# Altium PCB PCB1.PcbDoc (part 3 of 5)
Units mm, origin at the board's own origin, x right, y up, seen from the top; angles counter-clockwise.
Board outline 140 x 90 mm, 6 copper layers (Top Layer, GND, Power, Layer 4, GND2, Bottom Layer), stack 1.503 mm thick; 176 components, 276 nets, 1448 pads, 686 vias.
Unrouted connection lines stored in the file: 7.
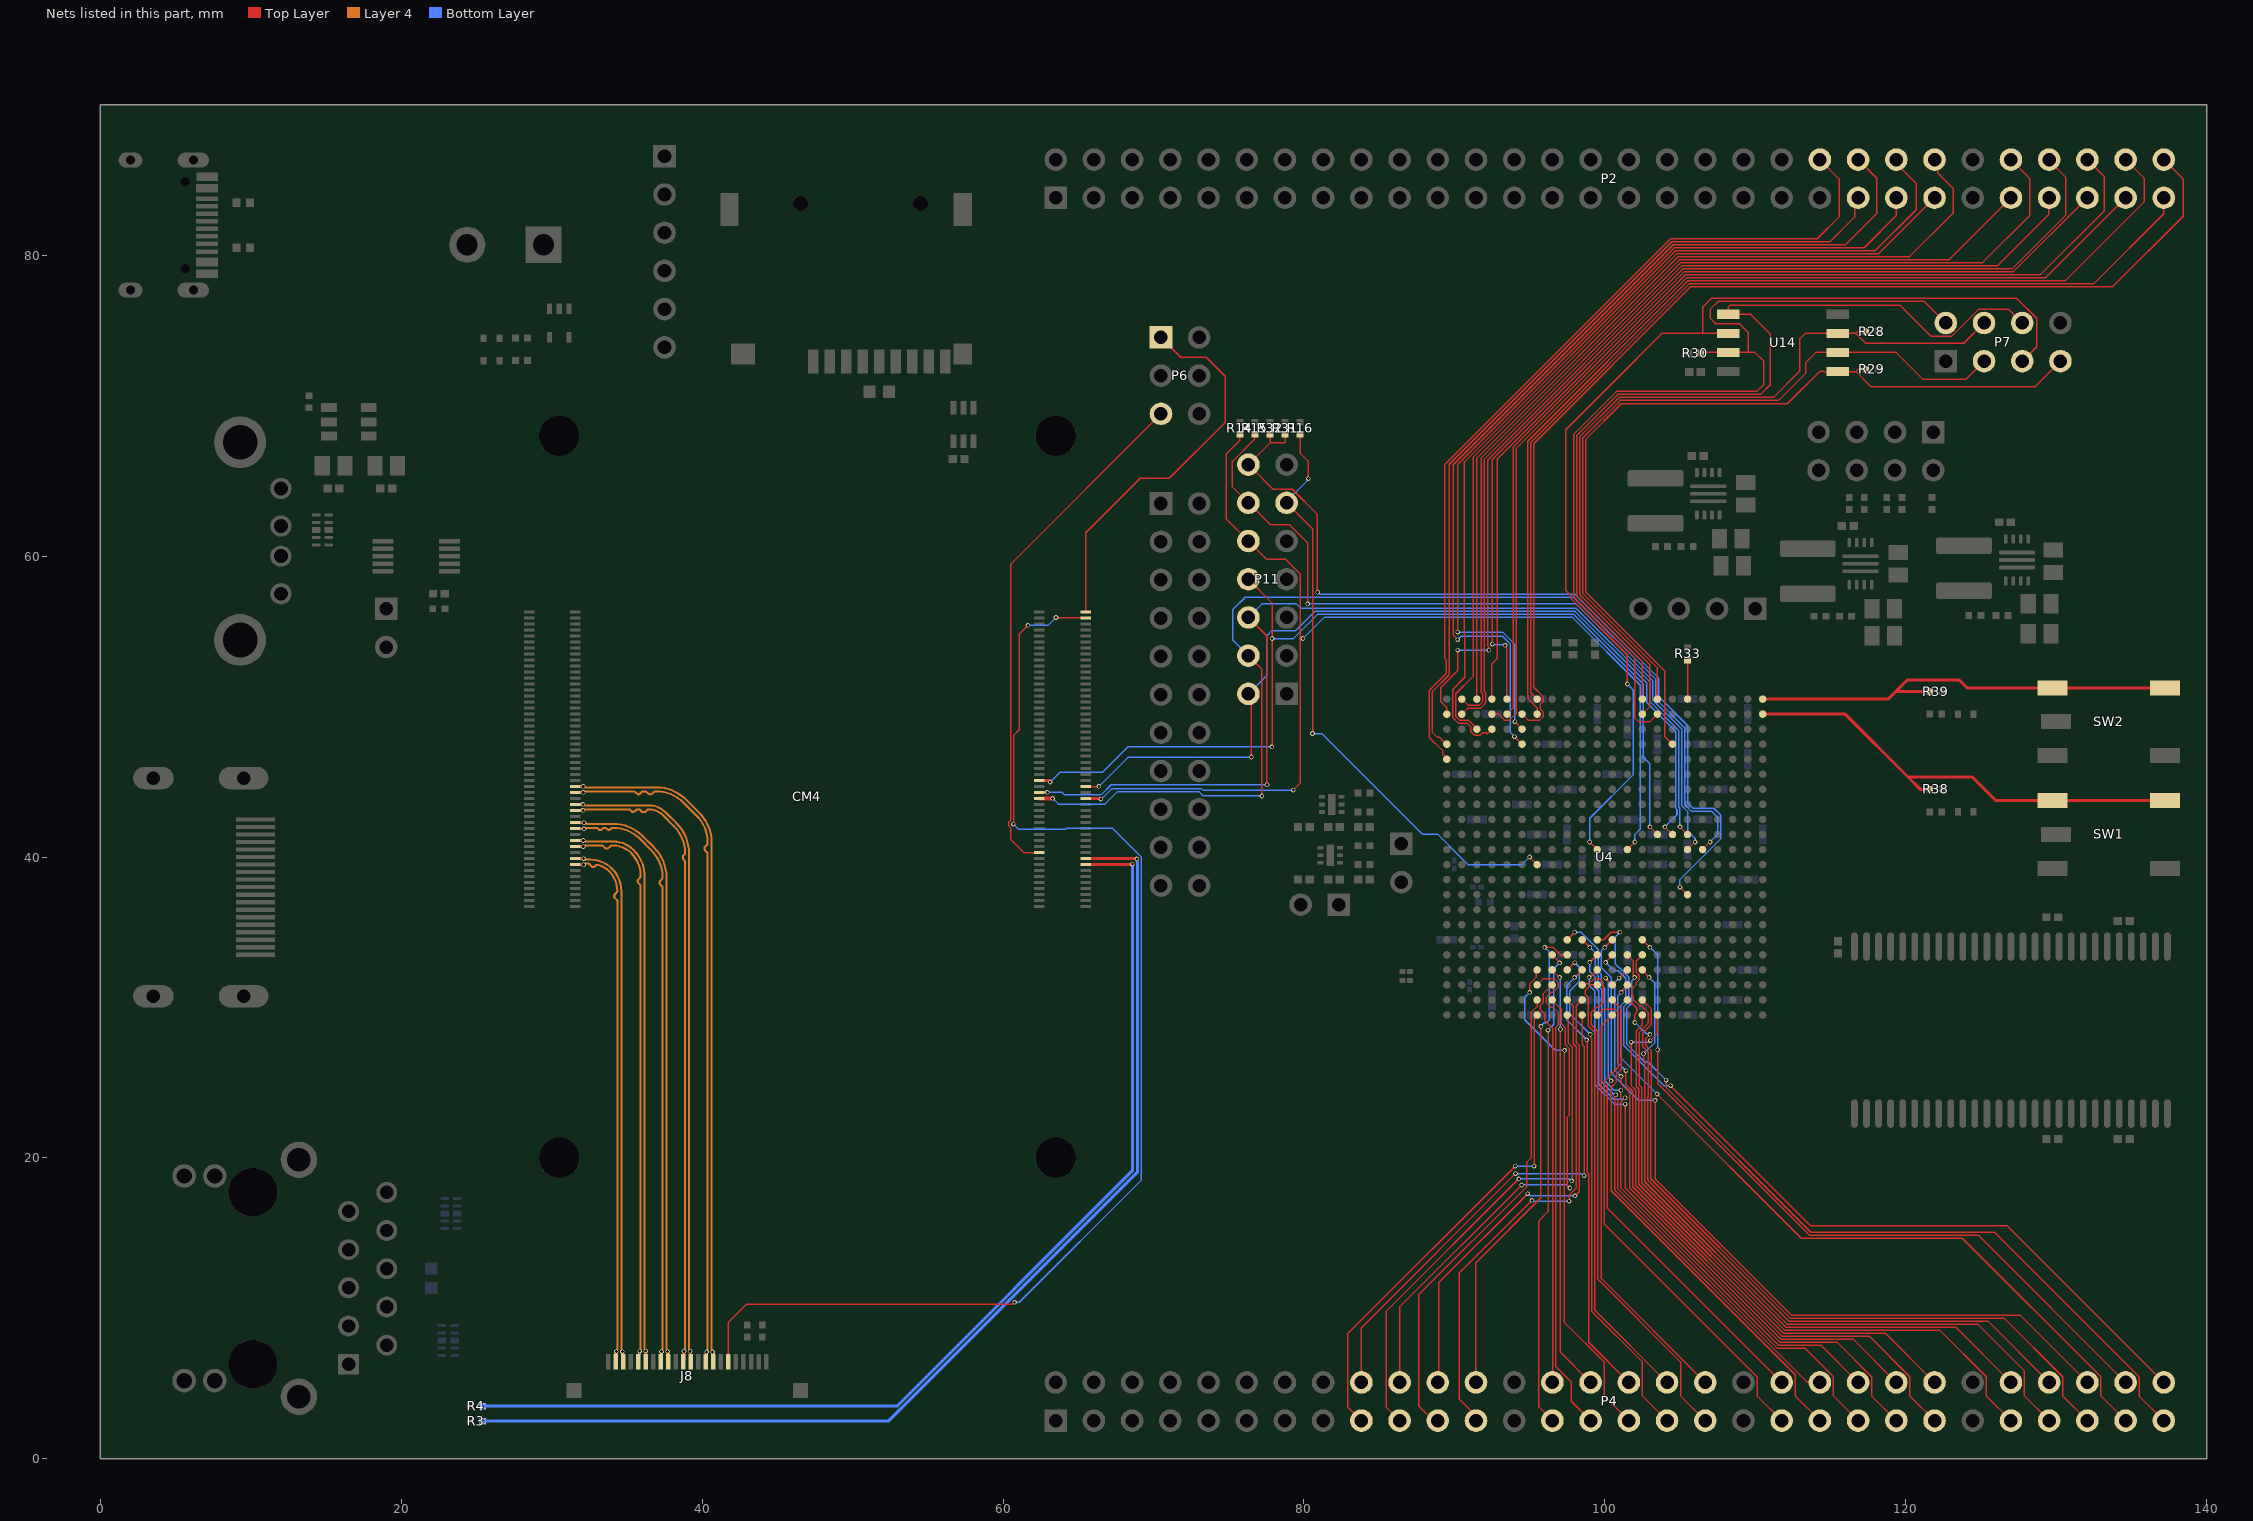
[diagram p7: the nets of this part, all layers, seen from the top]

## Via types
v1: diameter 0.305, hole 0.203, Top Layer to Bottom Layer, 686 vias

## Nets (pads, with @x,y where several pads share a name; then routed paths per layer and width w, separated by ;. In a path a pad name is that pad's centre, name@x,y a point inside that pad or via, vN(x,y) a via of type N, cw(c..) or ccw(c..) an arc to the next point about the centre after c; other vN are vias at no path point) (continued)
B14_33: P2.42 U4.A18 | length 58
  Top Layer w0.1: U4.A18@89.5,46.5 89.5,46.555 89.245,46.81 89.245,47.044 88.321,47.968 88.321,51.06 89.467,52.206 89.467,53.093 89.379,53.181 89.379,66.111 104.373,81.104 114.129,81.104 115.575,82.55 115.575,85.075 114.3,86.35 P2.42@114.3,86.36
B14_34: P2.43 U4.A19 | length 54.7
  Top Layer w0.1: U4.A19@89.5,47.5 89.469,47.5 88.993,47.976 88.848,47.976 88.52,48.304 88.52,50.978 89.666,52.123 89.666,66.116 104.455,80.905 114.975,80.905 116.605,82.536 116.605,83.585 P2.43@116.84,83.82
B14_35: P2.44 U4.F19 | length 61.7
  Top Layer w0.1: v1(90.224,54.45) 89.922,54.751 89.922,66.079 104.549,80.706 116.006,80.706 118.075,82.775 118.075,85.125 P2.44@116.84,86.36 ; v1(94,48) U4.F19@94.5,47.5
  Bottom Layer w0.1: v1(90.224,54.45) 90.449,54.675 93.2,54.675 93.725,54.15 93.725,48.275 v1(94,48)
B14_36: P2.45 U4.F20 | length 58.3
  Top Layer w0.1: v1(90.224,54.95) 90.224,66.099 104.631,80.507 117.241,80.507 119.38,82.646 P2.45@119.38,83.82 ; v1(94.026,49) 94.026,48.987 94.5,48.513 U4.F20@94.5,48.5
  Bottom Layer w0.1: v1(90.224,54.95) 93.206,54.95 94,54.156 94,49.026 v1(94.026,49)
B14_37: P2.46 U4.D20 | length 61.7
  Top Layer w0.1: U4.D20@92.5,48.5 92.195,48.195 92.119,48.271 91.869,48.271 91.699,48.101 91.335,48.101 91.101,48.335 91.101,48.649 90.848,48.902 90.252,48.902 89.902,49.252 89.902,51.152 90.695,51.945 90.695,52.839 90.695,54.764 90.674,54.785 90.674,66.268 104.714,80.308 117.983,80.308 120.7,83.025 120.7,84.775 119.38,86.095 P2.46@119.38,86.36
B14_38: P2.47 U4.C20 | length 57.3
  Top Layer w0.1: U4.C20@91.5,48.5 91.5,48.531 90.93,49.101 90.335,49.101 90.101,49.335 90.101,50.851 91.25,52 91.25,66.563 104.796,80.109 118.209,80.109 P2.47@121.92,83.82
B14_39: P2.48 U4.C22 | length 58.5
  Top Layer w0.1: U4.C22@91.5,50.5 91.5,66.531 104.879,79.91 120.26,79.91 123.15,82.8 123.15,84.45 122.14,85.46 122.14,86.14 P2.48@121.92,86.36
B14_40: P2.51 U4.B22 | length 60.3
  Top Layer w0.1: U4.B22@90.5,50.5 90.899,50.101 91.665,50.101 91.899,50.335 91.899,50.82 91.801,50.918 91.801,66.551 104.961,79.711 122.891,79.711 P2.51@127,83.82
B14_41: P2.52 U4.B21 | length 65.3
  Top Layer w0.1: U4.B21@90.5,49.5 90.902,49.902 91.748,49.902 92.098,50.252 92.098,50.902 92,51 92,66.457 105.055,79.512 125.112,79.512 128.234,82.634 128.234,85.126 P2.52@127,86.36
B14_42: P2.53 U4.A21 | length 64.8
  Top Layer w0.1: U4.A21@89.5,49.5 89.5,49.936 89.101,50.335 89.101,51.277 90.224,52.4 v1(90.224,53.754) ; v1(92.301,53.746) 92.301,53.948 92.224,54.025 92.224,66.399 105.137,79.313 126.123,79.313 129.504,82.694 129.504,83.784 P2.53@129.54,83.82
  Bottom Layer w0.1: v1(90.224,53.754) 90.23,53.748 92.299,53.748 v1(92.301,53.746)
B14_43: P2.54 U4.E22 | length 65.8
  Top Layer w0.1: v1(92.525,54.15) 92.525,66.419 105.22,79.114 127.093,79.114 130.65,82.671 130.65,85.175 129.54,86.285 P2.54@129.54,86.36 ; v1(93.374,54.074) 93.374,54.019 93.5,53.893 U4.E22@93.5,50.5
  Bottom Layer w0.1: v1(92.525,54.15) 92.563,54.112 93.337,54.112 v1(93.374,54.074)
B14_44: P2.55 U4.D22 | length 62.5
  Top Layer w0.1: U4.D22@92.5,50.5 92.5,52.85 92.85,53.2 92.85,66.463 105.302,78.915 127.175,78.915 P2.55@132.08,83.82
B14_45: P2.56 U4.E21 | length 67.6
  Top Layer w0.1: U4.E21@93.5,49.5 93.902,49.902 93.902,67.233 105.385,78.716 128.966,78.716 133.2,82.95 133.2,85.24 P2.56@132.08,86.36
B14_46: P2.57 U4.D21 | length 67
  Top Layer w0.1: U4.D21@92.5,49.5 92.936,49.5 93.335,49.101 93.665,49.101 94.101,49.537 94.101,67.151 105.467,78.517 129.317,78.517 P2.57@134.62,83.82
B14_47: P2.58 U4.G21 | length 69.3
  Top Layer w0.1: U4.G21@95.5,49.5 95.5,49.927 94.899,50.527 94.899,50.665 94.875,50.689 94.875,67.638 105.555,78.318 130.618,78.318 135.85,83.55 135.85,85.13 P2.58@134.62,86.36
B14_48: P2.59 U4.G22 | length 66.7
  Top Layer w0.1: U4.G22@95.5,50.5 95.074,50.926 95.074,67.555 105.638,78.119 132.519,78.119 137.16,82.76 P2.59@137.16,83.82
B14_49: P2.60 U4.F21 | length 74
  Top Layer w0.1: U4.F21@94.5,49.5 94.899,49.101 95.665,49.101 95.899,49.335 95.899,49.665 95.782,49.782 95.782,49.792 95.699,49.875 95.699,50.134 95.899,50.335 95.899,50.665 95.273,51.291 95.273,67.473 105.72,77.92 133.77,77.92 138.45,82.6 138.45,85.07 P2.60@137.16,86.36
B15_9: P4.17 U4.G1 | length 33.3
  Top Layer w0.1: P4.17@83.82,2.54 82.921,3.439 82.921,8.321 v1(94.05,19.45) ; v1(95.3,19.45) 95.3,29.241 95.5,29.441 U4.G1@95.5,29.5
  Bottom Layer w0.1: v1(94.05,19.45) v1(95.3,19.45)
B15_13: P4.18 U4.K1 | length 33.5
  Top Layer w0.1: P4.18@83.82,5.08 83.82,8.719 v1(94.064,18.962) ; U4.K1@98.5,29.5 98.499,29.499 98.499,27.552 98.627,27.424 v1(98.627,18.825)
  Bottom Layer w0.1: v1(94.064,18.962) 98.435,18.962 98.571,18.825 v1(98.627,18.825)
B15_14: P4.19 U4.J1 | length 34.8
  Top Layer w0.1: P4.19@86.36,2.54 85.461,3.439 85.461,9.787 v1(94.285,18.612) ; U4.J1@97.5,29.5 97.565,29.435 97.565,27.641 97.83,27.376 97.83,18.506 v1(97.8,18.475)
  Bottom Layer w0.1: v1(94.285,18.612) 97.608,18.612 97.744,18.475 v1(97.8,18.475)
B15_15: P4.20 U4.H2 | length 32.9
  Top Layer w0.1: P4.20@86.36,5.08 86.36,10.081 v1(94.48,18.201) ; U4.H2@96.5,30.5 97.101,29.899 97.101,28.931 97.366,28.666 97.366,27.541 97.631,27.276 97.631,22.821 97.498,22.688 97.498,18.232 97.675,18.055 v1(97.675,18)
  Bottom Layer w0.1: v1(94.48,18.201) 97.448,18.201 97.649,18 v1(97.675,18)
B15_16: P4.21 U4.G2 | length 31.9
  Top Layer w0.1: P4.21@88.9,2.54 88.61,2.54 87.625,3.525 87.625,10.9 94.825,18.1 94.825,19.725 95.101,20.001 95.101,29.665 95.5,30.064 U4.G2@95.5,30.5
B15_17: P4.22 U4.K2 | length 31.6
  Top Layer w0.1: P4.22@88.9,5.08 88.975,5.155 88.975,11.625 88.966,11.634 88.966,11.716 v1(94.875,17.625) ; v1(98.024,17.476) 98.3,17.753 98.3,27.469 98.101,27.668 98.101,30.101 U4.K2@98.5,30.5
  Bottom Layer w0.1: v1(94.875,17.625) 95.024,17.476 v1(98.024,17.476)
B15_18: P4.23 U4.J2 | length 33.4
  Top Layer w0.1: P4.23@91.44,2.54 91.44,2.86 90.325,3.975 90.325,12.35 v1(95.15,17.175) ; U4.J2@97.5,30.5 97.902,30.098 97.902,27.586 98.101,27.387 98.101,18 97.625,17.524 v1(97.625,17.125)
  Bottom Layer w0.1: v1(95.15,17.175) 95.2,17.125 v1(97.625,17.125)
B15_19: P4.24 U4.J5 | length 32.9
  Top Layer w0.1: P4.24@91.44,5.08 91.44,13.039 95.75,17.349 v1(95.75,28.75) ; v1(96,34) 96.564,34 97.064,33.5 U4.J5@97.5,33.5
  Bottom Layer w0.1: v1(95.75,28.75) 95.984,28.984 96.124,28.984 96.319,29.178 96.319,33.681 v1(96,34)
B15_20: P4.27 U4.H5 | length 32.1
  Top Layer w0.1: v1(96.228,28.5) 96.228,16.435 95.621,15.828 95.621,3.439 P4.27@96.52,2.54 ; U4.H5@96.5,33.5 97,33 v1(97,32.969)
  Bottom Layer w0.1: v1(96.228,28.5) 96.612,28.884 96.612,32.581 v1(97,32.969)
B15_21: P4.28 U4.H3 | length 27.1
  Top Layer w0.1: U4.H3@96.5,31.5 95.899,30.899 95.899,30.325 95.699,30.125 95.699,29.885 96,29.583 96,29.155 96.53,28.625 96.53,5.09 P4.28@96.52,5.08
B15_22: P4.29 U4.G3 | length 32.6
  Top Layer w0.1: U4.G3@95.5,31.5 95.899,31.899 96.665,31.899 96.899,31.665 96.899,31.335 96.564,31 96.436,31 96.101,30.665 96.101,30.335 96.436,30 96.564,30 96.899,29.665 96.899,28.822 96.753,28.676 96.753,6.118 97.773,5.099 97.773,3.827 P4.29@99.06,2.54
B15_23: P4.30 U4.H4 | length 28.5
  Top Layer w0.1: U4.H4@96.5,32.5 v1(97,32) ; v1(97.055,28.551) 97.028,28.525 97.028,7.112 P4.30@99.06,5.08
  Bottom Layer w0.1: v1(97,32) 97.027,31.973 97.027,28.579 v1(97.055,28.551)
B15_24: P4.31 U4.G4 | length 33.6
  Top Layer w0.1: v1(95,31) 95,31.564 95.436,32 95.441,32 95.441,32.441 U4.G4@95.5,32.5 ; v1(97.33,27.151) 97.299,27.121 97.299,9.099 99.959,6.44 99.959,4.181 P4.31@101.6,2.54
  Bottom Layer w0.1: v1(95,31) 94.681,30.681 94.681,29.178 96.708,27.151 v1(97.33,27.151)
B15_25: P4.32 U4.K4 | length 29.5
  Top Layer w0.1: v1(98,32) U4.K4@98.5,32.5 ; v1(98.8,27.85) 98.826,27.824 98.826,19.052 98.928,18.95 98.928,7.752 P4.32@101.6,5.08
  Bottom Layer w0.1: v1(98,32) 97.482,31.482 97.482,29.168 v1(98.8,27.85)
B15_26: P4.33 U4.J4 | length 34.2
  Top Layer w0.1: U4.J4@97.5,32.5 97.977,32.977 v1(98.005,32.977) ; v1(99.033,28.217) 99.072,28.178 99.072,28.004 99.127,27.949 99.127,9.812 102.499,6.44 102.499,4.181 P4.33@104.14,2.54
  Bottom Layer w0.1: v1(98.005,32.977) 98.301,32.68 98.301,31.728 97.681,31.107 97.681,29.569 v1(99.033,28.217)
B15_27: P4.34 U4.L3 | length 29.3
  Top Layer w0.1: U4.L3@99.5,31.5 99.074,31.5 98.699,31.125 98.699,30.866 98.899,30.665 98.899,28.777 99.334,28.342 99.334,9.886 P4.34@104.14,5.08
B15_28: P4.35 U4.K3 | length 34.3
  Top Layer w0.1: U4.K3@98.5,31.5 98.577,31.577 98.869,31.577 98.991,31.699 99.091,31.699 99.291,31.899 99.665,31.899 99.899,31.665 99.899,30.335 99.564,30 99.436,30 99.101,29.665 99.101,28.857 99.533,28.425 99.533,11.945 105.039,6.44 105.039,4.181 P4.35@106.68,2.54
B15_29: P4.36 U4.M1 | length 27.6
  Top Layer w0.1: U4.M1@100.5,29.5 99.782,28.782 99.782,11.978 P4.36@106.68,5.08
B15_30: P4.39 U4.L1 | length 34
  Top Layer w0.1: U4.L1@99.5,29.5 99.899,29.899 100.665,29.899 100.899,29.665 100.899,26.025 99.981,25.107 99.981,15.591 110.119,5.452 110.119,4.181 P4.39@111.76,2.54
B15_31: P4.40 U4.M3 | length 32.6
  Top Layer w0.1: v1(100.051,31.949) U4.M3@100.5,31.5 ; v1(100.425,25.125) 100.18,24.88 100.18,16.66 P4.40@111.76,5.08
  Bottom Layer w0.1: v1(100.051,31.949) 100.234,31.766 100.234,25.362 100.425,25.171 v1(100.425,25.125)
B15_32: P4.41 U4.M2 | length 34.2
  Top Layer w0.1: U4.M2@100.5,30.5 101.098,29.902 101.098,25.871 100.779,25.551 100.779,25.052 100.424,24.697 100.424,17.824 112.659,5.589 112.659,4.181 P4.41@114.3,2.54
B15_33: P4.42 U4.K6 | length 36.6
  Top Layer w0.1: U4.K6@98.5,34.5 v1(99,34) ; v1(100.725,24.2) 100.725,24.145 100.651,24.071 100.651,17.878 113.4,5.129 114.251,5.129 P4.42@114.3,5.08
  Bottom Layer w0.1: v1(99,34) 99.352,33.648 99.352,32.32 99.551,32.121 99.551,31.438 99.801,31.188 99.801,25.041 100.603,24.239 100.686,24.239 v1(100.725,24.2)
B15_34: P4.43 U4.J6 | length 42.7
  Top Layer w0.1: U4.J6@97.5,34.5 v1(98,35) ; v1(101.075,24.5) 101.054,24.479 101.054,23.986 100.85,23.782 100.85,17.961 111.45,7.361 113.29,7.361 115.199,5.452 115.199,4.181 P4.43@116.84,2.54
  Bottom Layer w0.1: v1(98,35) 98.426,35 99.551,33.875 99.551,32.402 99.75,32.203 99.75,31.521 100,31.271 100,25.124 100.622,24.501 v1(101.075,24.5) v1(101.075,24.5)
B15_35: P4.44 U4.L5 | length 38.5
  Top Layer w0.1: v1(99,33) U4.L5@99.5,33.5 ; v1(101.355,24.001) 101.351,24.001 101.049,23.7 101.049,18.043 111.532,7.56 114.36,7.56 P4.44@116.84,5.08
  Bottom Layer w0.1: v1(99,33) 99,32.391 99.352,32.038 99.352,31.356 99.602,31.106 99.602,24.897 100.6,23.899 101.197,23.899 101.3,24.001 v1(101.355,24.001)
B15_36: P4.45 U4.L4 | length 41.3
  Top Layer w0.1: v1(98.965,31.999) 98.966,32 99,32 U4.L4@99.5,32.5 ; v1(101.351,23.575) 101.351,18.023 111.615,7.759 115.432,7.759 117.739,5.452 117.739,4.181 P4.45@119.38,2.54
  Bottom Layer w0.1: v1(98.965,31.999) 98.965,31.461 99.334,31.092 99.334,24.883 100.642,23.575 v1(101.351,23.575)
B15_37: P4.46 U4.N4 | length 38.4
  Top Layer w0.1: v1(100.958,31.956) 100.997,31.995 101.011,31.995 101.5,32.483 U4.N4@101.5,32.5 ; v1(101.08,25.426) 101.08,24.921 101.656,24.345 101.656,17.999 111.697,7.958 116.502,7.958 P4.46@119.38,5.08
  Bottom Layer w0.1: v1(100.958,31.956) 100.653,31.651 100.653,25.854 v1(101.08,25.426)
B15_38: P4.47 U4.N3 | length 41.3
  Top Layer w0.1: v1(101.093,31) 101.093,31.047 101.5,31.453 U4.N3@101.5,31.5 ; v1(101.4,25.8) 101.4,24.883 101.855,24.427 101.855,18.081 111.779,8.157 117.574,8.157 120.279,5.452 120.279,4.181 P4.47@121.92,2.54
  Bottom Layer w0.1: v1(101.093,31) 100.852,30.758 100.852,26.348 v1(101.4,25.8)
B15_39: P4.48 U4.R1 | length 38.2
  Top Layer w0.1: v1(101.75,27.7) 101.75,24.814 102.054,24.51 102.054,18.164 111.862,8.356 118.644,8.356 P4.48@121.92,5.08 ; v1(103.03,27.801) 103.5,28.271 U4.R1@103.5,29.5
  Bottom Layer w0.1: v1(101.75,27.7) 102.873,27.7 102.975,27.801 v1(103.03,27.801)
B15_40: P4.51 U4.P1 | length 43.5
  Top Layer w0.1: U4.P1@102.5,29.5 102.5,28.847 102.076,28.423 102.076,24.769 102.253,24.592 102.253,18.246 111.944,8.555 122.256,8.555 125.359,5.452 125.359,4.181 P4.51@127,2.54
B15_41: P4.52 U4.P5 | length 46.5
  Top Layer w0.1: U4.P5@102.5,33.5 102.101,33.101 102.101,32.335 102.29,32.145 102.29,31.855 102.101,31.665 102.101,31.537 101.793,31.229 101.793,30.875 101.899,30.769 101.899,30.537 102.335,30.101 102.463,30.101 102.899,29.665 102.899,28.964 102.275,28.341 102.275,24.852 102.452,24.675 102.452,18.328 112.027,8.754 123.326,8.754 P4.52@127,5.08
B15_42: P4.53 U4.P4 | length 49.2
  Top Layer w0.1: U4.P4@102.5,32.5 102.5,32.474 102.949,32.026 v1(102.949,32) ; v1(102.577,26.925) 102.58,26.922 102.58,26.495 102.652,26.423 102.652,18.41 112.109,8.953 124.778,8.953 127.899,5.832 127.899,4.181 P4.53@129.54,2.54
  Bottom Layer w0.1: v1(102.577,26.925) 102.58,26.925 103.331,27.677 103.331,31.617 v1(102.949,32)
B15_43: P4.54 U4.P2 | length 44.9
  Top Layer w0.1: U4.P2@102.5,30.5 103.098,29.902 103.098,28.88 102.53,28.312 102.53,27.398 102.878,27.05 102.878,24.059 102.851,24.032 102.851,18.535 112.234,9.152 125.468,9.152 P4.54@129.54,5.08
B15_44: P4.55 U4.N2 | length 49.5
  Top Layer w0.1: U4.N2@101.5,30.5 101.6,30.5 102.125,29.975 102.125,29.689 102,29.564 v1(102,29) ; v1(103,28.208) 102.729,27.937 102.729,27.481 103.077,27.132 103.077,23.977 103.05,23.95 103.05,18.618 112.317,9.351 126.54,9.351 130.439,5.452 130.439,4.181 P4.55@132.08,2.54
  Bottom Layer w0.1: v1(102,29) 102.753,28.247 102.961,28.247 v1(103,28.208)
B15_45: P4.56 U4.M6 | length 52.7
  Top Layer w0.1: v1(100,34) U4.M6@100.5,34.5 ; v1(103.352,23.825) 103.352,18.598 112.399,9.55 127.61,9.55 P4.56@132.08,5.08
  Bottom Layer w0.1: v1(100,34) 99.75,33.75 99.75,32.676 100.433,31.993 100.433,25.647 102.255,23.825 v1(103.352,23.825)
B15_46: P4.57 U4.M5 | length 52.2
  Top Layer w0.1: v1(100.051,33) 100.051,33.026 100.5,33.474 U4.M5@100.5,33.5 ; v1(103.48,24.251) 113.065,14.666 123.766,14.666 132.979,5.452 132.979,4.181 P4.57@134.62,2.54
  Bottom Layer w0.1: v1(100.051,33) 100.608,32.444 100.897,32.444 101.395,31.946 101.395,30.45 101.051,30.106 101.051,26.681 v1(103.48,24.251)
B15_47: P4.58 U4.P6 | length 49.3
  Top Layer w0.1: U4.P6@102.5,34.5 v1(103,34) ; v1(103.517,27.192) 103.517,24.95 113.603,14.865 124.835,14.865 P4.58@134.62,5.08
  Bottom Layer w0.1: v1(103,34) 103.53,33.47 103.53,27.205 v1(103.517,27.192)
B15_48: P4.59 U4.N5 | length 53.5
  Top Layer w0.1: U4.N5@101.5,33.5 101.902,33.098 101.902,32 101.986,32 v1(101.989,31.997) ; v1(104.075,25.175) v1(104.075,25.175) 104.074,24.675 113.685,15.064 125.908,15.064 135.519,5.452 135.519,4.181 P4.59@137.16,2.54
  Bottom Layer w0.1: v1(101.989,31.997) 101.989,31.962 101.793,31.766 101.793,30.285 101.449,29.941 101.449,27.575 102.629,26.395 102.855,26.395 v1(104.075,25.175)
B15_49: P4.60 U4.L6 | length 55.1
  Top Layer w0.1: U4.L6@99.5,34.5 99.936,34.5 100.436,35 v1(101,35) ; v1(104.375,24.8) 113.68,15.495 126.745,15.495 P4.60@137.16,5.08
  Bottom Layer w0.1: v1(101,35) 100.705,34.705 100.705,32.875 100.938,32.643 100.98,32.643 101.594,32.029 101.594,30.368 101.25,30.023 101.25,27.493 103.942,24.8 v1(104.375,24.8)
BUTTON_0: R38.1 SW1.3 SW1.4 U4.AB21 | length 30.9
  Top Layer w0.203: U4.AB21@110.5,49.5 115.975,49.5 120.15,45.325 ; R38.1@121.6,44.5 120.975,44.5 120.15,45.325 ; SW1.4@137.25,43.75 SW1.3@129.75,43.75 126,43.75 124.425,45.325 120.15,45.325
BUTTON_1: R39.1 SW2.3 SW2.4 U4.AB22 | length 29.7
  Top Layer w0.203: U4.AB22@110.5,50.5 118.85,50.5 119.35,51 ; R39.1@121.6,51 119.35,51 ; SW2.4@137.25,51.25 SW2.3@129.75,51.25 124.075,51.25 123.55,51.775 120.125,51.775 119.35,51
CAM1_C_N: CM4.127 J8.8 | length 40.1
  Top Layer w0.174: CM4.127@31.58,41.9 ccw(c31.61,41.93) 31.61,41.888 32.12,41.888 cw(c32.12,41.845) v1(32.15,41.875) ; J8.8@37.25,6.45 ccw(c37.192,6.508) 37.253,6.454 ccw(c37.192,6.508) 37.274,6.508 37.274,7.067 cw(c37.356,7.067) v1(37.298,7.125)
  Layer 4 w0.134: v1(32.15,41.875) ccw(c32.15,41.987) 32.229,41.908 32.232,41.911 cw(c32.318,41.825) 32.318,41.946 32.946,41.946 cw(c32.946,41.78) 33.064,41.898 33.151,41.811 ccw(c33.191,41.851) 33.191,41.794 33.234,41.794 ccw(c33.234,41.921) 33.324,41.831 cw(c33.572,41.583) 33.572,41.934 33.604,41.934 33.687,41.851 ccw(c33.792,41.955) 33.792,41.808 33.804,41.808 ccw(c33.804,41.958) 33.91,41.852 33.955,41.896 cw(c34.077,41.774) 34.077,41.946 cw(c34.077,39.406) 35.873,41.202 36.625,40.45 cw(c34.829,38.654) 37.369,38.654 cw(c37.18,38.654) 37.314,38.52 37.228,38.434 ccw(c37.352,38.311) 37.177,38.311 37.177,38.275 ccw(c37.331,38.275) 37.222,38.166 37.334,38.055 cw(c37.248,37.968) 37.369,37.968 37.369,7.297 cw(c37.237,7.297) 37.331,7.204 ccw(c37.41,7.125) v1(37.298,7.125)
CAM1_C_P: CM4.129 J8.9 | length 40.2
  Top Layer w0.174: CM4.129@31.58,42.3 ccw(c31.606,42.326) 31.606,42.289 32.124,42.289 cw(c32.124,42.253) v1(32.15,42.279) ; v1(37.702,7.125) cw(c37.644,7.067) 37.726,7.067 37.726,6.508 ccw(c37.808,6.508) J8.9@37.75,6.45
  Layer 4 w0.134: v1(32.15,42.279) cw(c32.15,42.167) 32.229,42.246 32.232,42.243 ccw(c32.318,42.329) 32.318,42.207 34.077,42.207 cw(c34.077,39.409) 36.057,41.388 36.812,40.633 cw(c34.834,38.656) 37.63,38.656 37.63,7.297 ccw(c37.763,7.297) 37.669,7.204 cw(c37.59,7.125) v1(37.702,7.125)
CAM1_D0_N: CM4.115 J8.2 | length 35.5
  Top Layer w0.174: CM4.115@31.58,39.5 CM4.115@31.58,39.5 32.124,39.499 32.125,39.498 v1(32.125,39.488) ; J8.2@34.25,6.45 ccw(c34.192,6.508) 34.274,6.508 34.274,7.067 cw(c34.356,7.067) v1(34.298,7.125)
  Layer 4 w0.134: v1(32.125,39.488) ccw(c32.125,39.6) 32.204,39.521 32.207,39.524 cw(c32.293,39.438) 32.293,39.56 32.441,39.56 cw(c32.441,39.483) 32.495,39.537 32.645,39.388 ccw(c32.79,39.533) 32.79,39.327 32.833,39.371 cw(c32.866,39.339) 32.866,39.384 32.883,39.402 cw(c33.089,39.196) 33.089,39.487 cw(c32.589,37.812) 33.825,39.048 cw(c32.511,37.734) 34.369,37.734 cw(c34.304,37.734) 34.35,37.688 34.208,37.545 ccw(c34.325,37.428) 34.159,37.428 34.159,37.339 ccw(c34.203,37.339) 34.172,37.308 34.329,37.151 cw(c34.232,37.053) 34.369,37.053 34.369,7.297 cw(c34.237,7.297) 34.331,7.204 ccw(c34.41,7.125) v1(34.298,7.125)
CAM1_D0_P: CM4.117 J8.3 | length 35.6
  Top Layer w0.174: CM4.117@31.58,39.9 CM4.117@31.58,39.9 32.124,39.901 32.125,39.902 v1(32.122,39.892) ; v1(34.702,7.125) cw(c34.644,7.067) 34.726,7.067 34.726,6.508 ccw(c34.808,6.508) J8.3@34.75,6.45
  Layer 4 w0.134: v1(32.122,39.892) cw(c32.122,39.649) 32.294,39.821 32.592,39.821 cw(c32.592,37.819) 34.008,39.234 34.013,39.229 cw(c32.522,37.738) 34.63,37.738 34.63,7.297 ccw(c34.763,7.297) 34.669,7.204 cw(c34.59,7.125) v1(34.702,7.125)
CAM1_D1_N: CM4.121 J8.5 | length 38.2
  Top Layer w0.174: CM4.121@31.58,40.7 31.581,40.699 32.099,40.699 32.1,40.698 v1(32.1,40.697) ; J8.5@35.75,6.45 35.75,6.754 cw(c35.862,6.754) 35.783,6.833 ccw(c35.704,6.912) 35.815,6.912 35.815,7.102 cw(c35.901,7.102) v1(35.84,7.162)
  Layer 4 w0.134: v1(32.1,40.697) ccw(c32.1,40.808) 32.179,40.729 cw(c32.272,40.636) 32.272,40.768 33.316,40.768 cw(c33.316,40.618) 33.422,40.724 33.541,40.605 ccw(c33.664,40.727) 33.664,40.554 33.678,40.554 ccw(c33.678,40.684) 33.77,40.592 33.846,40.669 cw(c34.085,40.43) 34.085,40.768 cw(c34.085,39.085) 35.275,40.275 cw(c33.738,38.738) 35.912,38.738 cw(c35.732,38.738) 35.859,38.611 35.753,38.504 ccw(c35.844,38.412) 35.715,38.412 ccw(c35.92,38.412) 35.775,38.267 35.849,38.193 cw(c35.697,38.041) 35.912,38.041 35.912,7.33 cw(c35.79,7.33) 35.876,7.244 35.873,7.241 ccw(c35.952,7.162) v1(35.84,7.162)
CAM1_D1_P: CM4.123 J8.6 | length 38.3
  Top Layer w0.174: CM4.123@31.58,41.1 31.581,41.101 v1@32.099,41.101 ; v1(36.244,7.162) 36.247,7.159 36.247,6.453 J8.6@36.25,6.45 ; v1(32.099,41.1) 32.1,41.102 v1@32.099,41.101
  Layer 4 w0.134: v1(32.099,41.1) cw(c32.099,40.989) 32.178,41.068 ccw(c32.272,41.161) 32.272,41.029 34.09,41.029 cw(c34.09,39.096) 35.456,40.463 35.461,40.458 cw(c33.744,38.74) 36.15,39.073 cw(c33.744,38.74) 36.173,38.74 36.173,7.33 ccw(c36.295,7.33) 36.209,7.244 36.212,7.241 cw(c36.133,7.162) v1(36.244,7.162)
CAM1_D2_N: CM4.133 J8.11 | length 43.1
  Top Layer w0.174: CM4.133@31.58,43.1 v1(32.075,43.1) ; J8.11@38.75,6.45 ccw(c38.634,6.566) 38.798,6.566 v1(38.798,7.15)
  Layer 4 w0.134: v1(32.075,43.1) ccw(c32.075,43.212) 32.154,43.133 32.157,43.136 cw(c32.243,43.05) 32.243,43.171 35.104,43.171 cw(c35.104,42.957) 35.256,43.109 35.355,43.01 35.422,43.01 ccw(c35.422,43.193) 35.552,43.063 35.585,43.096 cw(c35.766,42.916) 35.766,43.171 cw(c35.766,42.956) 35.918,43.108 36.004,43.023 ccw(c36.105,43.124) 36.105,42.981 36.162,42.981 ccw(c36.162,43.082) 36.234,43.01 36.361,43.137 cw(c36.443,43.055) 36.443,43.171 cw(c36.443,41.818) 37.4,42.775 38.125,42.05 cw(c36.329,40.254) 38.869,40.254 cw(c38.792,40.254) 38.847,40.199 38.747,40.099 ccw(c38.804,40.042) 38.723,40.042 38.723,39.879 38.795,39.807 ; 38.796,39.806 cw(c38.616,39.628) 38.869,39.628 38.869,7.322 cw(c38.737,7.322) 38.831,7.229 ccw(c38.91,7.15) v1(38.798,7.15)
CAM1_D2_P: CM4.135 J8.12 | length 43.2
  Top Layer w0.174: CM4.135@31.58,43.5 31.582,43.502 32.073,43.502 v1(32.075,43.504) ; v1(39.202,7.15) 39.202,6.566 ccw(c39.366,6.566) J8.12@39.25,6.45
  Layer 4 w0.134: v1(32.075,43.504) cw(c32.075,43.392) 32.154,43.471 32.157,43.468 ccw(c32.243,43.554) 32.243,43.432 36.444,43.432 cw(c36.444,41.82) 37.584,42.96 38.312,42.233 cw(c36.334,40.256) 39.13,40.256 39.13,7.322 ccw(c39.263,7.322) 39.169,7.229 cw(c39.09,7.15) v1(39.202,7.15)
CAM1_D3_N: CM4.139 J8.14 | length 45.6
  Top Layer w0.174: CM4.139@31.58,44.3 CM4.139@31.58,44.3 32.099,44.299 v1(32.1,44.298) ; J8.14@40.25,6.45 ccw(c40.189,6.511) 40.275,6.511 40.275,7.04 cw(c40.36,7.04) v1(40.3,7.1)
  Layer 4 w0.134: v1(32.1,44.298) ccw(c32.1,44.41) 32.179,44.331 cw(c32.272,44.237) 32.272,44.369 35.37,44.369 cw(c35.37,43.997) 35.633,44.26 35.692,44.202 ccw(c35.772,44.282) 35.772,44.168 ccw(c35.772,44.307) 35.87,44.209 35.963,44.302 cw(c36.126,44.139) 36.126,44.369 cw(c36.126,44.031) 36.365,44.27 36.408,44.228 ccw(c36.554,44.374) 36.554,44.168 ccw(c36.554,44.365) 36.693,44.225 36.755,44.287 cw(c36.953,44.089) 36.953,44.369 cw(c36.953,41.829) 38.749,43.626 39.627,42.748 cw(c37.831,40.952) 40.371,40.952 cw(c40.139,40.952) 40.303,40.787 40.189,40.673 ccw(c40.245,40.617) 40.166,40.617 40.166,40.544 ccw(c40.334,40.544) 40.215,40.424 40.338,40.301 cw(c40.258,40.221) 40.371,40.221 40.371,7.268 cw(c40.25,7.268) 40.336,7.182 40.333,7.179 ccw(c40.412,7.1) v1(40.3,7.1)
CAM1_D3_P: CM4.141 J8.15 | length 45.6
  Top Layer w0.174: CM4.141@31.58,44.7 31.581,44.701 32.099,44.701 v1(32.1,44.702) ; v1(40.704,7.1) cw(c40.648,7.044) 40.727,7.044 40.727,6.506 ccw(c40.806,6.506) J8.15@40.75,6.45
  Layer 4 w0.134: v1(32.1,44.702) cw(c32.1,44.59) 32.179,44.669 ccw(c32.272,44.763) 32.272,44.631 36.954,44.631 cw(c36.954,41.832) 38.933,43.811 39.813,42.931 cw(c37.836,40.954) 40.632,40.954 40.632,7.268 ccw(c40.754,7.268) 40.668,7.182 40.671,7.179 cw(c40.592,7.1) v1(40.704,7.1)
CAM_GPIO: CM4.97 J8.17 | length 82.6
  Top Layer w0.1: J8.17@41.75,6.45 41.75,9.075 42.95,10.275 60.614,10.275 60.739,10.4 v1(60.775,10.4) ; v1(60.69,42.188) 60.711,42.188 60.724,42.2 60.724,48.112 61.075,48.463 61.075,54.825 v1(61.65,55.4) ; v1(63.525,55.925) 63.55,55.9 CM4.97@65.5,55.9
  Bottom Layer w0.1: v1(60.69,42.188) 61.029,41.848 64.167,41.848 64.218,41.9 67.3,41.9 68.977,40.223 68.977,40.222 69.203,39.996 69.203,18.528 61.077,10.402 60.777,10.402 v1(60.775,10.4) ; v1(61.65,55.4) 63,55.4 v1(63.525,55.925)
EEPROM_nWP: CM4.20 P6.5 | length 34.8
  Top Layer w0.1: CM4.20@62.42,40.3 61.375,40.3 60.525,41.15 60.525,41.926 60.388,42.063 60.388,42.313 60.525,42.449 60.525,59.485 P6.5@70.5,69.46
ETH_LEDG: CM4.17 R3.1 | length 74.6
  Top Layer w0.203: CM4.17@65.5,39.9 68.873,39.9 v1(68.899,39.874)
  Bottom Layer w0.203: R3.1@25.4,2.5 52.376,2.5 68.947,19.071 68.947,39.671 68.918,39.7 68.918,39.855 v1(68.899,39.874)
ETH_LEDY: CM4.15 R4.1 | length 73.2
  Top Layer w0.203: CM4.15@65.5,39.5 68.541,39.5 68.566,39.525 v1(68.594,39.525)
  Bottom Layer w0.203: R4.1@25.4,3.5 52.948,3.5 68.594,19.145 v1(68.594,39.525)
FPGA_DONE: P11.11 R16.1 U4.G11 | length 40.4
  Top Layer w0.1: P11.11@78.85,63.545 80.575,61.82 v1(80.575,48.211) ; R16.1@79.75,68.1 79.75,66.85 80.275,66.325 80.275,65.175 v1(80.3,65.15) ; v1(95,40) U4.G11@95.5,39.5
  Bottom Layer w0.1: P11.11@78.91,63.485 78.91,63.705 80.3,65.095 v1(80.3,65.15) ; v1(80.575,48.211) 81.189,48.211 87.9,41.5 88.906,41.5 90.428,39.977 90.906,39.5 94.5,39.5 v1(95,40)
FPGA_INIT: P11.12 R15.1 U4.U12 | length 52.4
  Top Layer w0.1: P11.12@76.31,63.545 77.759,62.096 79.03,62.096 80.25,60.876 v1(80.25,56.825) ; P11.12@76.31,63.545 75.25,64.605 75.25,66.3 76.734,67.784 76.734,68.084 R15.1@76.75,68.1 ; U4.U12@105.5,40.5 105.507,40.5 106.005,40.998 106.007,40.998 v1(106.011,41.002)
  Bottom Layer w0.1: v1(80.25,56.825) 98.087,56.825 103.202,51.71 103.202,50.42 105.121,48.502 105.121,43.397 105.5,43.018 105.5,41.75 106,41.25 106,41.013 v1(106.011,41.002)
FPGA_M2: P11.14 R31.1 R32.2 U4.U9 | length 58.6
  Top Layer w0.1: R32.2@77.75,68.1 77.75,67.525 ; R31.1@78.75,68.1 78.75,67.584 78.691,67.525 77.75,67.525 ; v1(80.909,57.6) 80.904,57.605 80.904,62.763 79.222,64.444 77.951,64.444 P11.14@76.31,66.085 77.75,67.525 ; v1(105,38) U4.U9@105.5,37.5
  Bottom Layer w0.1: v1(80.909,57.6) 80.945,57.6 81.07,57.475 98,57.475 103.6,51.875 103.6,50.65 105.519,48.731 105.519,43.598 105.867,43.25 107.25,43.25 107.725,42.775 107.725,41.225 105,38.5 v1(105,38)
FPGA_PROGRAM_B: CM4.37 P11.10 R14.1 U4.N12 | length 77.3
  Top Layer w0.1: R14.1@75.75,68.1 75.75,67.7 74.825,66.775 74.825,62.49 P11.10@76.31,61.005 77.528,59.787 78.799,59.787 79.749,58.837 79.749,44.899 v1(79.3,44.45) ; U4.N12@101.5,40.5 v1(102,41)
  Top Layer w0.203: CM4.37@65.5,43.9 66.429,43.9 66.477,43.852 v1(66.505,43.852)
  Bottom Layer w0.1: v1(66.505,43.852) 66.556,43.852 67.252,44.548 73.199,44.548 73.297,44.45 v1(79.3,44.45) ; v1(79.938,54.525) 81.338,55.925 97.861,55.925 102.363,51.423 102.363,41.863 102,41.5 v1(102,41)
FPGA_PUDC_B: R33.2 U4.U22 | length 2.6
  Top Layer w0.1: U4.U22@105.5,50.5 R33.2@105.5,53.1
FPGA_SPI_CCLK: P7.5 U4.L12 U14.6 | length 75.4
  Top Layer w0.1: v1(99,41) U4.L12@99.5,40.5 ; v1(101.5,51.5) 101.5,53.443 97.726,57.217 97.726,57.399 97.4,57.725 97.4,68.4 100.5,71.5 103.81,74.81 ; U14.6@108.2,74.81 103.81,74.81 ; P7.5@127.75,72.96 128.709,73.919 128.709,75.813 127.372,77.149 107.101,77.149 106.5,76.548 106.5,74.835 106.525,74.81 103.81,74.81
  Bottom Layer w0.1: v1(99,41) 99,42.574 101.909,45.483 101.909,51.091 v1(101.5,51.5)
FPGA_SPI_D02: P7.4 R28.1 U4.P21 U14.3 | length 53.1
  Top Layer w0.1: U4.P21@102.5,49.5 103,50 103,52.787 98.323,57.464 98.323,67.916 100.962,70.555 111.22,70.555 112.95,72.285 112.95,74.425 113.335,74.81 U14.3@115.5,74.81 116.675,74.81 ; R28.1@117.35,74.925 116.79,74.925 116.675,74.81 ; P7.4@125.21,75.5 123.86,74.15 117.335,74.15 116.675,74.81
FPGA_SPI_D03: P7.2 R30.1 U4.R21 U14.7 | length 63.6
  Top Layer w0.1: U4.R21@103.5,49.5 103,49 102.25,49 102,49.25 102,53.224 97.925,57.299 97.925,68.081 100.818,70.974 110.124,70.974 110.575,71.425 110.575,72.95 109.985,73.54 109.535,73.54 ; R30.1@106.4,73.5 106.44,73.54 U14.7@108.2,73.54 109.535,73.54 ; P7.2@122.67,75.5 121.22,76.95 107.55,76.95 107.025,76.425 107.025,75.8 107.375,75.45 108.95,75.45 109.535,74.865 109.535,73.54
FPGA_SPI_DO0: P7.6 U4.P22 U14.5 | length 62.4
  Top Layer w0.1: U4.P22@102.5,50.5 102.5,53.006 98.124,57.382 98.124,67.998 100.901,70.775 110.375,70.775 111,71.4 111,74.775 109.695,76.08 U14.5@108.2,76.08 108.2,76.55 108.325,76.675 119.625,76.675 121.699,74.601 123.042,74.601 123.94,75.499 123.94,75.501 124.838,76.399 126.851,76.399 P7.6@127.75,75.5
FPGA_SPI_DO1: P7.3 U4.R22 U14.2 | length 50.1
  Top Layer w0.1: U4.R22@103.5,50.5 103.5,52.569 98.522,57.547 98.522,67.833 101.045,70.356 111.556,70.356 113.35,72.15 113.35,72.85 114.04,73.54 U14.2@115.5,73.54 119.36,73.54 121.15,71.75 124,71.75 P7.3@125.21,72.96
FPGA_SPI_FCS_B: P7.7 R29.1 U4.T19 U14.1 | length 58
  Top Layer w0.1: U4.T19@104.5,47.5 104,48 104,52.35 98.721,57.629 98.721,67.751 101.095,70.125 112.125,70.125 114.284,72.284 114.535,72.284 114.549,72.27 U14.1@115.5,72.27 116.69,72.27 ; R29.1@117.35,72.425 116.845,72.425 116.69,72.27 ; P7.7@130.29,72.96 128.58,71.25 117.71,71.25 116.69,72.27
FPGA_TCK: CM4.38 P11.4 U4.V12 | length 73.5
  Top Layer w0.1: P11.4@76.31,53.385 77.209,52.486 v1(77.209,44.059) ; U4.V12@106.5,40.5 v1(107,41)
  Top Layer w0.254: CM4.38@62.42,43.9 v1(63.3,43.9)
  Bottom Layer w0.1: v1(63.3,43.9) 63.68,43.52 66.788,43.52 67.617,44.349 73.026,44.349 73.296,44.079 v1@77.189,44.079 ; P11.4@76.31,53.385 75.275,54.42 75.275,56.45 76.1,57.275 97.919,57.275 103.401,51.793 103.401,50.503 105.32,48.584 105.32,43.48 105.5,43.299 105.77,43.029 107.112,43.029 107.5,42.641 107.5,41.5 v1(107,41)
FPGA_TDI: CM4.44 P11.8 U4.R13 | length 65.9
  Top Layer w0.1: P11.8@76.31,58.465 77.887,56.888 v1(77.887,54.525) 77.887,47.337 v1(77.875,47.325) ; v1(103,42.011) 103,42.006 103.5,41.506 U4.R13@103.5,41.5
  Top Layer w0.203: CM4.44@62.42,45.1 63.025,45.1 v1(63.138,44.988)
  Bottom Layer w0.1: v1(63.138,44.988) 63.799,45.649 66.625,45.649 68.301,47.325 v1(77.875,47.325) ; v1(77.887,54.525) 79.3,54.525 80.899,56.124 97.944,56.124 102.562,51.506 102.562,46.637 103,46.199 v1(103,42.011)
FPGA_TDO: CM4.40 P11.6 U4.U13 | length 67.5
  Top Layer w0.1: CM4.40@62.42,44.3 v1@62.951,44.301 ; P11.6@76.31,55.925 77.527,54.708 77.527,54.295 77.546,54.276 v1(77.546,44.804) ; v1(105,42) U4.U13@105.5,41.5
  Bottom Layer w0.1: v1(62.952,44.302) 63.917,44.302 64.065,44.153 66.541,44.153 67.191,44.804 v1(77.546,44.804) ; P11.6@76.31,55.925 77.209,56.824 79.501,56.824 79.803,56.522 98.109,56.522 103.003,51.628 103.003,50.338 104.922,48.419 104.922,43.315 105,43.236 v1(105,42)
FPGA_TMS: CM4.41 P11.2 U4.T13 | length 59.5
  Top Layer w0.1: CM4.41@65.5,44.7 65.533,44.667 66.252,44.667 66.266,44.682 66.362,44.682 v1(66.377,44.696) ; v1@76.517,46.65 P11.2@76.517,50.638 ; v1(104,42.011) 104,42.006 104.5,41.506 U4.T13@104.5,41.5
  Bottom Layer w0.1: v1(66.377,44.696) 66.38,44.696 68.303,46.619 76.469,46.619 v1(76.5,46.65) ; P11.2@76.31,50.845 77.527,52.062 77.527,54.702 77.851,55.026 79.426,55.026 80.723,56.323 98.026,56.323 102.804,51.545 102.804,50.256 104.723,48.337 104.723,43.232 104.801,43.154 104.801,42.812 v1(104,42.011)
GLOBAL_EN: CM4.99 P6.1 | length 26
  Top Layer w0.1: CM4.99@65.5,56.3 65.5,61.55 69.124,65.174 71.055,65.174 74.774,68.893 74.774,71.957 73.507,73.224 71.816,73.224 P6.1@70.5,74.54